# KiCad board MB1635_good_conversion.kicad_pcb (continued)
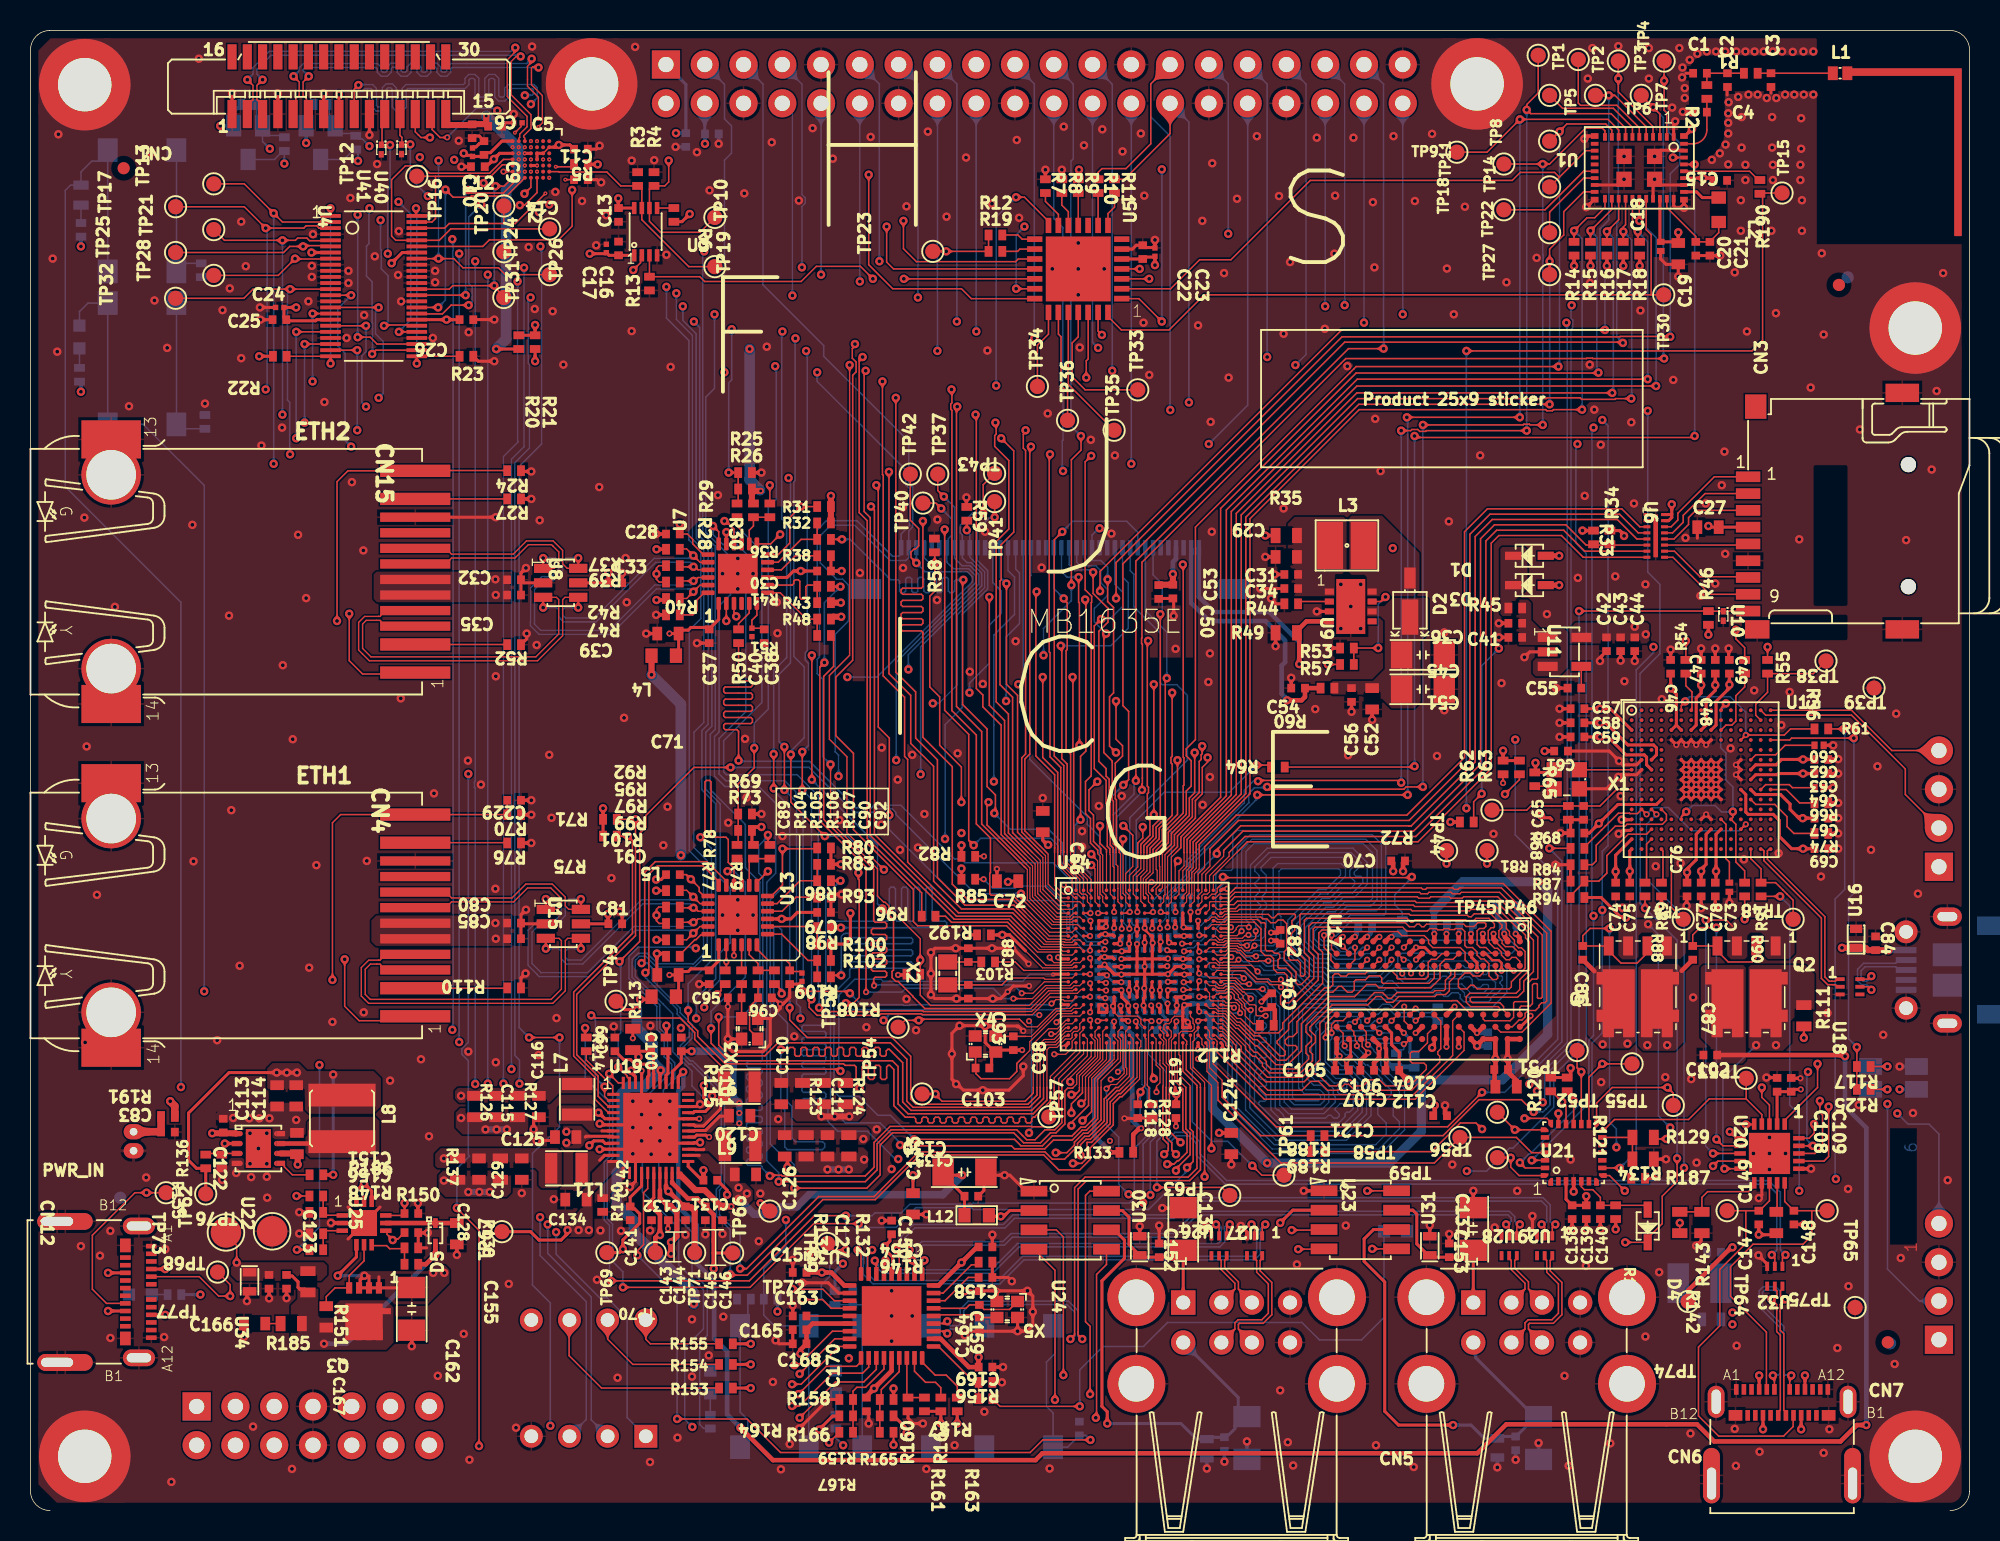
[diagram p0: board, top side]
## Footprints (pads in the part's own frame, mm; a bottom-side part is the same pattern mirrored in y, then rotated) (continued)
_Subversion_Altium_Designer_Library_Trunk_MCD_PARTS_IC.PcbLib_ICC_UFQFPN28_4X4_P050
  rect 0.3x0.3 smd: 1(-1.5,-2) 7(1.5,-2) 8(2,-1.5) 14(2,1.5) 15(1.5,2) 21(-1.5,2) 22(-2,1.5) 28(-2,-1.5)
  rect 0.3x0.55 smd: 2(-1,-1.875) 3(-0.5,-1.875) 4(0,-1.875) 5(0.5,-1.875) 6(1,-1.875) 16(1,1.875) 17(0.5,1.875) 18(0,1.875) 19(-0.5,1.875) 20(-1,1.875)
  rect 0.55x0.3 smd: 9(1.875,-1) 10(1.875,-0.5) 11(1.875,0) 12(1.875,0.5) 13(1.875,1) 23(-1.875,1) 24(-1.875,0.5) 25(-1.875,0) 26(-1.875,-0.5) 27(-1.875,-1)
_Subversion_Altium_Designer_Library_Trunk_MCD_PARTS_IC.PcbLib_ICC_VFDFPN8-EPAD_3X3_P065
  rect 0.35x0.55 smd: 1(-0.975,-1.475) 2(-0.325,-1.475) 3(0.325,-1.475) 4(0.975,-1.475) 5(0.975,1.475) 6(0.325,1.475) 7(-0.325,1.475) 8(-0.975,1.475)
  rect 2.55x1.65 smd: 9(0,0)
_Subversion_Altium_Designer_Library_Trunk_MCD_PARTS_IC.PcbLib_ICC_VQFN24-EPAD_4X4_P050
  rrect 0.85x0.3 smd: 1(-1.95,1.25) 2(-1.95,0.75) 3(-1.95,0.25) 4(-1.95,-0.25) 5(-1.95,-0.75) 6(-1.95,-1.25) 13(1.95,-1.25) 14(1.95,-0.75) 15(1.95,-0.25) 16(1.95,0.25) 17(1.95,0.75) 18(1.95,1.25)
  rrect 0.3x0.85 smd: 7(-1.25,-1.95) 8(-0.75,-1.95) 9(-0.25,-1.95) 10(0.25,-1.95) 11(0.75,-1.95) 12(1.25,-1.95) 19(1.25,1.95) 20(0.75,1.95) 21(0.25,1.95) 22(-0.25,1.95) 23(-0.75,1.95) 24(-1.25,1.95)
  rect 2.6x2.6 smd: EP(0,0)
_Subversion_Altium_Designer_Library_Trunk_MCD_PARTS_IC.PcbLib_ICC_VQFN24-EPAD_4X4_P050#2
  rrect 0.85x0.3 smd: 1(-1.95,1.25) 2(-1.95,0.75) 3(-1.95,0.25) 4(-1.95,-0.25) 5(-1.95,-0.75) 6(-1.95,-1.25) 13(1.95,-1.25) 14(1.95,-0.75) 15(1.95,-0.25) 16(1.95,0.25) 17(1.95,0.75) 18(1.95,1.25)
  rrect 0.3x0.85 smd: 7(-1.25,-1.95) 8(-0.75,-1.95) 9(-0.25,-1.95) 10(0.25,-1.95) 11(0.75,-1.95) 12(1.25,-1.95) 19(1.25,1.95) 20(0.75,1.95) 21(0.25,1.95) 22(-0.25,1.95) 23(-0.75,1.95) 24(-1.25,1.95)
  rect 2.6x2.6 smd: EP(0,0)
_Subversion_Altium_Designer_Library_Trunk_MCD_PARTS_IC.PcbLib_ICC_VSSOP8_DCU_R-PDSO-G8_2X2P30_P050
  rect 0.3x0.8 smd: 1(-0.75,-1.55) 2(-0.25,-1.55) 3(0.25,-1.55) 4(0.75,-1.55) 5(0.75,1.55) 6(0.25,1.55) 7(-0.25,1.55) 8(-0.75,1.55)
_Subversion_Altium_Designer_Library_Trunk_MCD_PARTS_IC.PcbLib_MOS_SOT23
  rect 1x1.4 smd: 1(-0.95,-1.1) 2(0.95,-1.1) 3(0,1.1)
_Subversion_Altium_Designer_Library_Trunk_MCD_PARTS_IC.PcbLib_MOS_SOT23#2
  rect 1x1.4 smd: 1(-0.95,-1.1) 2(0.95,-1.1) 3(0,1.1)
_Subversion_Altium_Designer_Library_Trunk_MCD_PARTS_IC.PcbLib_REG_SOT23-5L
  rect 0.6x1.3 smd: 1(-0.95,-1.1) 2(0,-1.1) 3(0.95,-1.1) 4(0.95,1.1) 5(-0.95,1.1)
_Subversion_Altium_Designer_Library_Trunk_MCD_PARTS_INDUCTOR.PcbLib_FIL_0603_H0P65
  rect 0.8x0.95 smd: 1(-0.8,0) 2(0.8,0)
_Subversion_Altium_Designer_Library_Trunk_MCD_PARTS_INDUCTOR.PcbLib_IND_0402_MURATA_LQW15AN2N4C00X
  rect 0.65x0.9 smd: 1(-0.475,0) 2(0.475,0)
_Subversion_Altium_Designer_Library_Trunk_MCD_PARTS_INDUCTOR.PcbLib_IND_4025_WURTH_74404043022A
  rect 1.5x4.4 smd: 1(-1.525,0) 2(1.525,0)
_Subversion_Altium_Designer_Library_Trunk_MCD_PARTS_INDUCTOR.PcbLib_L0603
  rect 0.8x0.95 smd: 1(-0.8,0) 2(0.8,0)
_Subversion_Altium_Designer_Library_Trunk_MCD_PARTS_INDUCTOR.PcbLib_L1210_LQH
  rect 1.7x3.1 smd: 1(-1.1,0) 2(1.1,0)
_Subversion_Altium_Designer_Library_Trunk_MCD_PARTS_MISC.PcbLib_MOD_WLAN-BT_MURATA_LBEE5KL1DX-883
  rect 0.25x0.5 smd: 1(-2.25,-2.025) 2(-1.8,-2.025) 3(-1.35,-2.025) 4(-0.9,-2.025) 5(-0.45,-2.025) 6(0,-2.025) 7(0.45,-2.025) 8(0.9,-2.025) 9(1.35,-2.025) 10(1.8,-2.025) 11(2.25,-2.025) 22(2.25,2.025) 23(1.8,2.025) 24(1.35,2.025) 25(0.9,2.025) 26(0.45,2.025) 27(0,2.025) 28(-0.45,2.025) 29(-0.9,2.025) 30(-1.35,2.025) 31(-1.8,2.025) 32(-2.25,2.025)
  rect 0.5x0.375 smd: 12(2.925,-2.087) 21(2.925,2.087) 33(-2.925,2.087) 42(-2.925,-2.087)
  rect 0.5x0.25 smd: 13(2.925,-1.575) 14(2.925,-1.125) 15(2.925,-0.675) 16(2.925,-0.225) 17(2.925,0.225) 18(2.925,0.675) 19(2.925,1.125) 20(2.925,1.575) 34(-2.925,1.575) 35(-2.925,1.125) 36(-2.925,0.675) 37(-2.925,0.225) 38(-2.925,-0.225) 39(-2.925,-0.675) 40(-2.925,-1.125) 41(-2.925,-1.575)
  rect 1x1 smd: 43(-1,-0.75) 44(1,-0.75) 45(-1,0.75) 46(1,0.75)
_Subversion_Altium_Designer_Library_Trunk_MCD_PARTS_MISC.PcbLib_TP_SMD_1MM
  round 1 smd: 1(0,0)
_Subversion_Altium_Designer_Library_Trunk_MCD_PARTS_RESISTOR.PcbLib_R0402
  rect 0.51x0.7 smd: 1(-0.45,0) 2(0.45,0)
_Subversion_Altium_Designer_Library_Trunk_MCD_PARTS_RESISTOR.PcbLib_R0402#2
  rect 0.51x0.7 smd: 1(-0.45,0) 2(0.45,0)
_Subversion_Altium_Designer_Library_Trunk_MCD_PARTS_RESISTOR.PcbLib_R0402#3
  rect 0.51x0.7 smd: 1(-0.45,0) 2(0.45,0)
_Subversion_Altium_Designer_Library_Trunk_MCD_PARTS_RESISTOR.PcbLib_R0603
  rect 0.64x1 smd: 1(-0.7,0) 2(0.7,0)
_Subversion_Altium_Designer_Library_Trunk_MCD_PARTS_TRANSISTOR.PcbLib_PowerFLAT_5x6
  rect 0.65x1.25 smd: 1(1.905,2.675) 2(0.635,2.675) 3(-0.635,2.675) 4(-1.905,2.675) 5(-1.905,-2.675) 6(-0.635,-2.675) 7(0.635,-2.675) 8(1.905,-2.675)
_Users_Gasnot Jordane_Documents_Projets_ATE_STM_Le Mans_Bibliothèque_MCD_PARTS.PcbLib_MIRE_PLACE_SMD_0P8MM
  round 0.8 smd: 1(0,0)
C0201_MURATA_GRM033_H0P3
  rect 0.35x0.35 smd: 1(-0.275,0) 2(0.275,0)
C0402
  rect 0.51x0.56 smd: 1(-0.45,0) 2(0.45,0)
C0402#2
  rect 0.51x0.56 smd: 1(-0.45,0) 2(0.45,0)
C0402#3
  rect 0.51x0.56 smd: 1(-0.45,0) 2(0.45,0)
C0603
  rect 0.64x0.89 smd: 1(-0.7,0) 2(0.7,0)
C0603_H0P8
  rect 0.64x0.89 smd: 1(-0.7,0) 2(0.7,0)
CON_MOLEX_5051104091
  rect 0.3x1 smd: 1(-9.75,1.1) 2(-9.25,1.1) 3(-8.75,1.1) 4(-8.25,1.1) 5(-7.75,1.1) 6(-7.25,1.1) 7(-6.75,1.1) 8(-6.25,1.1) 9(-5.75,1.1) 10(-5.25,1.1) 11(-4.75,1.1) 12(-4.25,1.1) 13(-3.75,1.1) 14(-3.25,1.1) 15(-2.75,1.1) 16(-2.25,1.1) 17(-1.75,1.1) 18(-1.25,1.1) 19(-0.75,1.1) 20(-0.25,1.1) 21(0.25,1.1) 22(0.75,1.1) 23(1.25,1.1) 24(1.75,1.1) 25(2.25,1.1) 26(2.75,1.1) 27(3.25,1.1) 28(3.75,1.1) 29(4.25,1.1) 30(4.75,1.1) 31(5.25,1.1) 32(5.75,1.1) 33(6.25,1.1) 34(6.75,1.1) 35(7.25,1.1) 36(7.75,1.1) 37(8.25,1.1) 38(8.75,1.1) 39(9.25,1.1) 40(9.75,1.1)
  rect 2x1.3 smd: MT1(-12.05,-1.6) MT2(12.05,-1.6)
CON_RJ45_PHC_RMT-119A-12F6-GY-02
  rect 0.81x4.6 smd: 1(6.61,25.2) 2(4.77,25.2) 11(-4.77,25.2) 12(-6.61,25.2)
  rect 0.61x4.6 smd: 3(3.57,25.2) 4(2.55,25.2) 5(1.53,25.2) 6(0.51,25.2) 7(-0.51,25.2) 8(-1.53,25.2) 9(-2.55,25.2) 10(-3.57,25.2)
  rect 2.5x3.9 smd: 13(-8.67,5.28) 14(8.67,5.28)
  round 3.9 hole 3.25: 13(-6.35,5.28) 14(6.35,5.28)
CON_SAMTEC_TSW-107-07-X-D
  rect 1.85x1.85 hole 1: 1(-7.62,-1.27)
  round 1.85 hole 1: 2(-7.62,1.27) 3(-5.08,-1.27) 4(-5.08,1.27) 5(-2.54,-1.27) 6(-2.54,1.27) 7(0,-1.27) 8(0,1.27) 9(2.54,-1.27) 10(2.54,1.27) 11(5.08,-1.27) 12(5.08,1.27) 13(7.62,-1.27) 14(7.62,1.27)
CON_USB-TYPEC_MOLEX_2012670005
  rect 0.3x0.7 smd: A1(-3,3.085) A2(-2.5,3.085) A3(-2,3.085) A4(-1.5,3.085) A5(-1,3.085) A6(-0.5,3.085) A7(0.5,3.085) A8(1,3.085) A9(1.5,3.085) A10(2,3.085) A11(2.5,3.085) A12(3,3.085) B2(2.25,1.385) B3(1.75,1.385) B4(1.25,1.385) B5(0.75,1.385) B6(0.25,1.385) B7(-0.25,1.385) B8(-0.75,1.385) B9(-1.25,1.385) B10(-1.75,1.385) B11(-2.25,1.385)
  rect 0.9x0.7 smd: B1(3.05,1.385) B12(-3.05,1.385)
  oval 1.1x2.1 hole 0.6x1.6: SH1(-4.32,2.275) SH2(4.32,2.275)
  oval 1.1x3.6 smd: SH3(-4.62,-2.55) SH4(4.62,-2.55)
  oval 1.1x2.6 hole 0.6x2.1: SH3(-4.62,-3.085) SH4(4.62,-3.085)
CON_USB-TYPEC_MOLEX_2012670005#2
  rect 0.3x0.7 smd: A1(-3,3.085) A2(-2.5,3.085) A3(-2,3.085) A4(-1.5,3.085) A5(-1,3.085) A6(-0.5,3.085) A7(0.5,3.085) A8(1,3.085) A9(1.5,3.085) A10(2,3.085) A11(2.5,3.085) A12(3,3.085) B2(2.25,1.385) B3(1.75,1.385) B4(1.25,1.385) B5(0.75,1.385) B6(0.25,1.385) B7(-0.25,1.385) B8(-0.75,1.385) B9(-1.25,1.385) B10(-1.75,1.385) B11(-2.25,1.385)
  rect 0.9x0.7 smd: B1(3.05,1.385) B12(-3.05,1.385)
  oval 1.1x2.1 hole 0.6x1.6: SH1(-4.32,2.275) SH2(4.32,2.275)
  oval 1.1x3.6 smd: SH3(-4.62,-2.55) SH4(4.62,-2.55)
  oval 1.1x2.6 hole 0.6x2.1: SH3(-4.62,-3.085) SH4(4.62,-3.085)
CRY_NX2012SA_2P
  rect 1x1.25 smd: 1(-0.75,0) 2(0.75,0)
CRY_NX2016SA_4P
  rect 0.85x0.75 smd: 1(-0.675,-0.525) 2(0.675,-0.525) 3(0.675,0.525) 4(-0.675,0.525)
DIO_SOD523_1A_2K
  rect 0.65x0.3 smd: 1(-0.675,0) 2(0.675,0)
ESD_QFN1610_2N_1K_2A
  rect 0.55x0.9 smd: 1(-0.625,0) 2(0.625,0)
ESD_ST0201
  rect 0.425x0.33 smd: 1(-0.312,0) 2(0.312,0)
ICC_QFN12L-EPAD_3X3_P050
  rect 0.3x0.75 smd: 1(-0.5,-1.425) 2(0,-1.425) 3(0.5,-1.425) 7(0.5,1.425) 8(0,1.425) 9(-0.5,1.425)
  rect 0.75x0.3 smd: 4(1.425,-0.5) 5(1.425,0) 6(1.425,0.5) 10(-1.425,0.5) 11(-1.425,0) 12(-1.425,-0.5)
  rect 1.7x1.7 smd: 13(0,0)
ICC_TFBGA320_11X11_STM32MP135FA7_P050_H1P20
  round 0.23 smd: A1(-5,5) A2(-4.5,5) A3(-4,5) A4(-3.5,5) A6(-2.5,5) A7(-2,5) A9(-1,5) A10(-0.5,5) A12(0.5,5) A13(1,5) A15(2,5) A16(2.5,5) A18(3.5,5) A19(4,5) A20(4.5,5) A21(5,5) AA1(-5,-5) AA2(-4.5,-5) AA3(-4,-5) AA4(-3.5,-5) AA6(-2.5,-5) AA7(-2,-5) AA9(-1,-5) AA10(-0.5,-5) AA12(0.5,-5) AA13(1,-5) AA15(1.999,-5) AA16(2.499,-5) AA18(3.499,-5) AA19(3.999,-5) AA20(4.499,-5) AA21(4.999,-5) B1(-5,4.5) B2(-4.5,4.5) B3(-4,4.5) B4(-3.5,4.5) B5(-3,4.5) B6(-2.5,4.5) B7(-2,4.5) B8(-1.5,4.5) B9(-1,4.5) B10(-0.5,4.5) B11(0,4.5) B12(0.5,4.5) B13(1,4.5) B14(1.5,4.5) B15(2,4.5) B16(2.5,4.5) B17(3,4.5) B18(3.5,4.5) B19(4,4.5) B20(4.5,4.5) B21(5,4.5) C1(-5,4) C2(-4.5,4) C3(-4,4) C4(-3.5,4) C5(-3,4) C6(-2.5,4) C7(-2,4) C8(-1.5,4) C9(-1,4) C10(-0.5,4) C11(0,4) C12(0.5,4) C13(1,4) C14(1.5,4) C15(2,4) C16(2.5,4) C17(3,4) C18(3.5,4) C19(4,4) C20(4.5,4) C21(5,4) D1(-5,3.5) D2(-4.5,3.5) D3(-4,3.5) D6(-2.5,3.5) D8(-1.5,3.5) D11(0,3.5) D14(1.5,3.5) D16(2.5,3.5) D19(4,3.5) D20(4.5,3.5) D21(5,3.5) E2(-4.5,3) E3(-4,3) E5(-3,3) E6(-2.5,3) E7(-2,3) E8(-1.5,3) E9(-1,3) E10(-0.5,3) E11(0,3) E12(0.5,3) E13(1,3) E14(1.5,3) E15(2,3) E16(2.5,3) E17(3,3) E19(4,3) E20(4.5,3) F1(-5,2.5) F2(-4.5,2.5) F3(-4,2.5) F4(-3.5,2.5) F5(-3,2.5) F17(3,2.5) F18(3.5,2.5) F19(4,2.5) F20(4.5,2.5) F21(5,2.5) G1(-5,2) G2(-4.5,2) G3(-4,2) G5(-3,2) G7(-2,2) G8(-1.5,2) G9(-1,2) G10(-0.5,2) G11(0,2) G12(0.5,2) G13(1,2) G14(1.5,2) G15(2,2) G17(3,2) G19(4,2) G20(4.5,2) G21(5,2) H2(-4.5,1.5) H3(-4,1.5) H4(-3.5,1.5) H5(-3,1.5) H7(-2,1.5) H15(2,1.5) H17(3,1.5) H18(3.5,1.5) H19(4,1.5) H20(4.5,1.5) J1(-5,1) J2(-4.5,1) J3(-4,1) J5(-3,1) J7(-2,1) J9(-1,1) J10(-0.5,1) J11(0,1) J12(0.5,1) J13(1,1) J15(1.999,1) J17(2.999,1) J19(3.999,1) J20(4.499,1) J21(4.999,1) K1(-5,0.5) K2(-4.5,0.5) K3(-4,0.5) K5(-3,0.5) K7(-2,0.5) K9(-1,0.5) K10(-0.5,0.5) K11(0,0.5) K12(0.5,0.5) K13(1,0.5) K15(2,0.5) K17(2.999,0.5) K19(3.999,0.5) K20(4.499,0.5) K21(4.999,0.5) L2(-4.5,0) L3(-4,0) L4(-3.5,0) L5(-3,0) L7(-2,0) L9(-1,0) L10(-0.5,0) L12(0.5,0) L13(1,0) L15(2,0) L17(2.999,0) L18(3.499,0) L19(3.999,0) L20(4.499,0) M1(-5,-0.5) M2(-4.5,-0.5) M3(-4,-0.5) M5(-3,-0.5) M7(-2,-0.5) M9(-1,-0.5) M10(-0.5,-0.5) M11(0,-0.5) M12(0.5,-0.5) M13(1,-0.5) M15(2,-0.5) M17(3,-0.5) M19(4,-0.5) M20(4.5,-0.5) M21(5,-0.5) N1(-5,-1) N2(-4.5,-1) N3(-4,-1) N5(-3,-1) N7(-2,-1) N9(-1,-1) N10(-0.5,-1) N11(0,-1) N12(0.5,-1) N13(1,-1) N15(2,-1) N17(3,-1) N19(4,-1) N20(4.5,-1) N21(5,-1) P2(-4.5,-1.5) P3(-4,-1.5) P4(-3.5,-1.5) P5(-3,-1.5) P7(-2,-1.5) P15(2,-1.5) P17(3,-1.5) P18(3.5,-1.5) P19(4,-1.5) P20(4.5,-1.5) R1(-5,-2) R2(-4.5,-2) R3(-4,-2) R5(-3,-2) R7(-2,-2) R8(-1.5,-2) R9(-1,-2) R10(-0.5,-2) R11(0,-2) R12(0.5,-2) R13(1,-2) R14(1.5,-2) R15(2,-2) R17(2.999,-2) R19(3.999,-2) R20(4.499,-2) R21(4.999,-2) T1(-5,-2.5) T2(-4.5,-2.5) T3(-4,-2.5) T4(-3.5,-2.5) T5(-3,-2.5) T17(2.999,-2.5) T18(3.499,-2.5) T19(3.999,-2.5) T20(4.499,-2.5) T21(4.999,-2.5) U2(-4.5,-3) U3(-4,-3) U5(-3,-3) U6(-2.5,-3) U7(-2,-3) U8(-1.5,-3) U9(-1,-3) U10(-0.5,-3) U11(0,-3) U12(0.5,-3) U13(1,-3) U14(1.5,-3) U15(1.999,-3) U16(2.499,-3) U17(2.999,-3) U19(3.999,-3) U20(4.499,-3) V1(-5,-3.5) V2(-4.5,-3.5) V3(-4,-3.5) V6(-2.5,-3.5) V8(-1.5,-3.5) V11(-0.001,-3.5) V14(1.499,-3.5) V16(2.499,-3.5) V19(3.999,-3.5) V20(4.499,-3.5) V21(4.999,-3.5) W1(-5,-4) W2(-4.5,-4) W3(-4,-4) W4(-3.5,-4) W5(-3,-4) W6(-2.5,-4) W7(-2,-4) W8(-1.5,-4) W9(-1,-4) W10(-0.5,-4) W11(0,-4) W12(0.5,-4) W13(1,-4) W14(1.5,-4) W15(1.999,-4) W16(2.499,-4) W17(2.999,-4) W18(3.499,-4) W19(3.999,-4) W20(4.499,-4) W21(4.999,-4) Y1(-5,-4.5) Y2(-4.5,-4.5) Y3(-4,-4.5) Y4(-3.5,-4.5) Y5(-3,-4.5) Y6(-2.5,-4.5) Y7(-2,-4.5) Y8(-1.5,-4.5) Y9(-1,-4.5) Y10(-0.5,-4.5) Y11(0,-4.5) Y12(0.5,-4.5) Y13(1,-4.5) Y14(1.5,-4.5) Y15(1.999,-4.5) Y16(2.499,-4.5) Y17(2.999,-4.5) Y18(3.499,-4.5) Y19(3.999,-4.5) Y20(4.499,-4.5) Y21(4.999,-4.5)
ICC_VFBGA49_3X3_P040
  round 0.26 smd: A1(-1.2,1.2) A2(-0.8,1.2) A3(-0.4,1.2) A4(0,1.2) A5(0.4,1.2) A6(0.8,1.2) A7(1.2,1.2) B1(-1.2,0.8) B2(-0.8,0.8) B3(-0.4,0.8) B4(0,0.8) B5(0.4,0.8) B6(0.8,0.8) B7(1.2,0.8) C1(-1.2,0.4) C2(-0.8,0.4) C3(-0.4,0.4) C4(0,0.4) C5(0.4,0.4) C6(0.8,0.4) C7(1.2,0.4) D1(-1.2,0) D2(-0.8,0) D3(-0.4,0) D4(0,0) D5(0.4,0) D6(0.8,0) D7(1.2,0) E1(-1.2,-0.4) E2(-0.8,-0.4) E3(-0.4,-0.4) E4(0,-0.4) E5(0.4,-0.4) E6(0.8,-0.4) E7(1.2,-0.4) F1(-1.2,-0.8) F2(-0.8,-0.8) F3(-0.4,-0.8) F4(0,-0.8) F5(0.4,-0.8) F6(0.8,-0.8) F7(1.2,-0.8) G1(-1.2,-1.2) G2(-0.8,-1.2) G3(-0.4,-1.2) G4(0,-1.2) G5(0.4,-1.2) G6(0.8,-1.2) G7(1.2,-1.2)
IND_2520_TOKO_DFE252012P
  rect 0.8x2 smd: 1(-1,0) 2(1,0)
LED_0603_GREEN
  rect 0.8x0.8 smd: 1(-0.75,0) 2(0.75,0)
LED_BI-GR_CMD67-22
  rect 1.1x1.5 smd: 1(-0.75,-1.5) 2(0.75,-1.5) 3(-0.75,1.5) 4(0.75,1.5)
MOS_POWERFLAT_3P3X3P3_P065
  rect 0.4x0.75 smd: 1(-0.975,-1.525) 2(-0.325,-1.525) 3(0.325,-1.525) 4(0.975,-1.525) 6(0.325,1.525) 7(-0.325,1.525)
  rect 0.45x0.75 smd: 5(1,1.525) 8(-1,1.525)
R0402
  rect 0.51x0.7 smd: 1(-0.45,0) 2(0.45,0)
R0402#2
  rect 0.51x0.7 smd: 1(-0.45,0) 2(0.45,0)
R0603
  rect 0.64x1 smd: 1(-0.7,0) 2(0.7,0)
SWI_GRAYHILL-INC_76SB04ST
  rect 1.5x1.5 hole 0.9: 1(-3.75,-3.81)
  round 1.5 hole 0.9: 2(-1.25,-3.81) 3(1.25,-3.81) 4(3.75,-3.81) 5(3.75,3.81) 6(1.25,3.81) 7(-1.25,3.81) 8(-3.75,3.81)
SWI_KNITTER_TSS644S
  rect 1.55x1.3 smd: 1(-3.975,2.25) 2(3.975,2.25) 3(-3.975,-2.25) 4(3.975,-2.25)
SWI_KNITTER_TSS644S#2
  rect 1.55x1.3 smd: 1(-3.975,2.25) 2(3.975,2.25) 3(-3.975,-2.25) 4(3.975,-2.25)
TP_SMD_1MM
  round 1 smd: 1(0,0)
unnamed
  round 6 hole 3.5: 1(0,0)

## Nets
1V8_PERIPH: C9.2 C10.2 C11.2 C12.2 C13.2 C26.2 C145.2 R5.1 R22.2 R168.2 R169.2 TP72.1 TR1.1 TR2.1 U2.A2 U2.B3 U2.C3 U2.C4 U2.G1 U2.G3 U3.8 U4.31 U4.42 U19.21
3V3_AO: C7.1 C18.2 C19.2 C22.2 C23.2 C79.2 C113.2 C114.2 CN8.1 CN8.17 L5.2 L8.2 R9.1 R73.2 R78.2 R80.2 R83.2 R100.2 R102.2 R115.1 R135.2 R186.2 TP62.1 U1.30 U5.5 U13.9
3V3_STLK: C42.2 C43.2 C44.2 C46.2 C47.2 C48.2 C49.2 C57.2 C58.2 C59.2 C61.2 C62.2 C63.2 C67.2 C68.2 C69.2 C74.2 C75.2 C76.2 C77.2 C78.2 CN9.1 LD5.3 R65.1 R89.1 U11.5 U12.C1 U12.C5 U12.C6 U12.C7 U12.C8 U12.C9 U12.F3 U12.G3 U12.G13 U12.H13 U12.J12 U12.J13 U12.K4 U12.N8 U12.N9 U12.N10 U12.P1 U12.R1 X1.4
3V3_SW: C6.2 C30.2 C50.1 C53.2 C117.2 C150.2 C154.2 C157.2 C165.2 C168.2 C169.2 C170.2 CN1.15 CN16.4 L4.2 R20.2 R26.2 R29.2 R31.2 R32.2 R43.2 R48.2 R161.2 R162.1 R163.2 R164.2 R165.2 TP49.1 U7.9 U19.38 U33.5 U33.10 U33.15 U33.23 U33.29 U33.36
5V_USB_CHGR: C84.2 CN10.1 D3.1 U16.1
5V_VIN: C8.2 C86.2 C101.2 C120.2 C122.2 C123.2 C125.2 C130.2 C131.2 C134.2 C135.2 C143.2 C146.2 C162.1 CN8.2 CN8.4 D1.1 L12.1 Q1.5 Q1.6 Q3.1 Q3.2 Q3.3 R35.1 R152.2 TP67.1 U19.8 U19.12 U19.19 U19.22 U19.24 U19.28 U19.36 U22.1 U22.6 U25.4
GND: B3.1 B3.2 B5.3 B5.4 C1.1 C2.1 C3.1 C4.1 C5.1 C6.1 C7.2 C8.1 C9.1 C10.1 C11.1 C12.1 C13.1 C14.1 C15.1 C16.1 C17.1 C18.1 C19.1 C20.1 C21.1 C22.1 C23.1 C24.1 C25.1 C26.1 C27.1 C28.1 C29.2 C30.1 C31.1 C32.1 C33.2 C34.1 C35.1 C36.2 C37.1 C38.1 C39.2 C40.1 C41.1 C42.1 C43.1 C44.1 C45.1 C46.1 C47.1 C48.1 C49.1 C50.2 C51.1 C52.1 C53.1 C54.1 C55.1 C56.1 C57.1 C58.1 C59.1 C60.1 C61.1 C62.1 C63.1 C64.1 C65.1 C66.1 C67.1 C68.1 C69.1 C70.1 C71.1 C72.1 C73.1 C74.1 C75.1 C76.1 C77.1 C78.1 C79.1 C80.1 C81.2 C82.1 C83.1 C84.1 C85.1 C88.2 C89.1 C90.1 C91.2 C92.1 C93.2 C94.1 C95.1 C96.1 C98.1 C99.2 C100.1 C101.1 C102.1 C103.2 C104.1 C105.1 C106.1 C107.2 C108.1 C109.1 C110.1 C112.1 C113.1 C114.1 C116.1 C117.1 C118.2 C119.1 C120.1 C121.1 C122.1 C123.1 C124.1 C125.1 C126.1 C129.1 C130.1 C131.1 C132.1 C133.1 C134.1 C135.1 C136.1 C137.1 C138.1 C139.1 C140.1 C141.1 C142.1 C143.1 C144.1 C145.1 C146.1 C147.1 C148.1 C149.1 C150.1 C151.1 C152.1 C153.1 C154.1 C155.2 C156.1 C157.1 C158.1 C159.1 C160.2 C161.1 C162.2 C163.1 C164.1 C165.1 C166.1 C168.1 C169.1 C170.1 C171.1 C172.1 C173.1 C174.1 C175.1 C176.1 C177.2 C178.1 C179.1 C180.2 C181.1 C182.1 C183.1 C184.1 C185.2 C186.1 C187.1 C188.1 C189.1 C190.1 C191.2 C192.1 C193.1 C194.1 C195.2 C196.1 C197.1 C198.1 C199.1 C200.1 C201.1 C202.1 C203.2 C204.2 C205.1 C206.1 C207.2 C208.1 C209.1 C210.2 C211.1 C212.1 C213.1 C214.2 C215.2 C216.2 C217.2 C218.1 C219.2 C220.1 C221.1 C222.1 C223.1 C224.1 C225.1 C226.1 C227.1 C228.1 C229.1 CN1.1 CN1.4 CN1.7 CN1.10 CN3.6 CN3.10 CN3.11 CN3.12 CN4.10 CN4.13 CN4.14 CN5.B4 CN5.CH1 CN5.CH2 CN5.CH3 CN5.CH4 CN5.T4 CN6.B4 CN6.CH1 CN6.CH2 CN6.CH3 CN6.CH4 CN6.T4 CN7.A1 CN7.A12 CN7.B1 CN7.B12 CN7.SH1 CN7.SH2 CN7.SH3 CN7.SH4 CN8.6 CN8.9 CN8.14 CN8.20 CN8.25 CN8.30 CN8.34 CN8.39 CN9.3 CN10.5 CN10.6 CN10.7 CN10.8 CN10.9 CN10.10 CN10.11 CN11.2 CN12.A1 CN12.A12 CN12.B1 CN12.B12 CN12.SH1 CN12.SH2 CN12.SH3 CN12.SH4 CN13.3 CN14.7 CN14.8 CN15.10 CN15.13 CN15.14 CN16.3 CN16.29 CN16.35 CN16.36 CN16.MT1 CN16.MT2 LD1.2 LD2.2 LD5.4 LD6.2 LD7.2 NOREF.1 NOREF#2.1 NOREF#3.1 NOREF#4.1 NOREF#5.1 NOREF#6.1 R3.2 R4.2 R7.1 R8.1 R13.1 R23.2 R24.1 R25.2 R27.1 R33.1 R38.2 R44.1 R47.2 R49.1 R52.1 R53.1 R58.2 R59.1 R66.1 R68.2 R69.2 R70.1 R74.1 R76.1 R84.1 R87.1 R93.2 R101.2 R110.1 R112.1 R128.2 R134.1 R136.1 R140.1 R143.1 R145.1 R146.1 R147.1 R148.1 R156.1 R158.1 R159.1 R160.1 R173.2 R175.2 R176.1 R178.1 R179.1 R182.2 SW1.4 TP39.1 TP75.1 TP76.1 U1.1 U1.12 U1.19 U1.21 U1.29 U1.32 U1.33 U1.35 U1.40 U1.42 U1.43 U1.44 U1.45 U1.46 U2.A4 U2.A7 U2.C5 U2.D3 U2.D5 U2.E3 U2.F6 U2.G2 U3.4 U4.4 U4.9 U4.10 U4.11 U4.12 U4.15 U4.21 U4.28 U4.34 U4.37 U4.38 U4.39 U4.40 U4.45 U5.6 U5.29 U6.EP U7.EP U8.2 U9.3 U9.9 U10.2 U11.2 U12.D5 U12.D6 U12.D7 U12.D8 U12.D9 U12.F2 U12.F6 U12.F7 U12.F8 U12.F9 U12.F10 U12.F12 U12.G2 U12.G6 U12.G7 U12.G8 U12.G9 U12.G10 U12.G12 U12.H6 U12.H7 U12.H8 U12.H9 U12.H10 U12.H12 U12.J6 U12.J7 U12.J8 U12.J9 U12.J10 U12.K6 U12.K7 U12.K8 U12.K9 U12.K10 U12.M1 U12.M8 U12.M9 U12.N1 U13.EP U14.A1 U14.A21 U14.AA1 U14.AA18 U14.AA21 U14.B12 U14.D16 U14.E5 U14.E6 U14.E11 U14.E16 U14.F5 U14.F17 U14.F18 U14.F21 U14.G8 U14.G12 U14.G14 U14.H7 U14.H15 U14.J10 U14.J12 U14.K1 U14.K9 U14.K10 U14.K11 U14.K12 U14.K13 U14.K21 U14.L5 U14.L10 U14.L12 U14.L15 U14.L17 U14.M1 U14.M7 U14.M9 U14.M10 U14.M11 U14.M12 U14.M13 U14.N11 U14.P7 U14.P15 U14.R8 U14.R11 U14.R14 U14.T1 U14.T5 U14.T17 U14.T21 U14.U3 U14.U5 U14.U6 U14.U9 U14.U11 U14.U13 U14.U16 U14.V8 U14.V16 U14.W16 U14.W17 U14.Y14 U15.2 U16.2 U17.A9 U17.B1 U17.B3 U17.B9 U17.D1 U17.D8 U17.E1 U17.E2 U17.E8 U17.F9 U17.G1 U17.G8 U17.G9 U17.J2 U17.J8 U17.M1 U17.M9 U17.P1 U17.P9 U17.T1 U17.T9 U18.3 U19.6 U19.10 U19.15 U19.26 U19.30 U19.32 U19.41 U19.ep U20.12 U20.16 U20.21 U21.4 U22.4 U22.8 U23.1 U24.1 U25.2 U25.13 U26.3 U27.3 U28.3 U29.3 U30.2 U31.2 U32.3 U33.11 U33.37 U34.2 U36.2 U37.2 U38.2 U39.2 U40.2 U41.2 X1.2 X3.2 X3.4 X4.2 X4.4 X5.2 X5.4
GNDDetect: R74.2 U12.K13
VBUS_MEAS: R129.1 R134.2 U21.13
VDD: C15.2 C108.2 C109.2 C111.2 C138.2 C139.2 C171.2 C173.2 C176.2 C185.1 C190.2 C197.2 C201.2 C202.2 C205.2 C207.1 C208.2 C209.2 C215.1 CN13.1 CN14.13 R14.1 R15.1 R16.1 R17.1 R18.1 R21.2 R46.1 R62.2 R63.2 R71.2 R72.2 R75.2 R82.2 R94.2 R108.2 R120.2 R121.1 R123.2 R124.2 R141.2 R153.2 R154.2 R155.2 R172.2 R174.2 R180.2 R181.2 R187.2 R192.2 U1.36 U14.AA12 U14.C15 U14.E12 U14.E17 U14.G9 U14.G13 U14.J7 U14.J9 U14.J13 U14.K2 U14.M5 U14.N7 U14.N9 U14.N12 U14.R5 U14.R7 U14.R9 U14.R12 U14.U7 U14.V2 U14.W11 U14.Y18 U19.31 U19.42 U20.2 U21.3 U22.2 U25.10 U25.12
VDD_ADC: C132.2 C214.1 R133.2 TP66.1 U14.U8 U19.23
VDD_CORE: C124.2 C127.2 C133.2 C188.2 C189.2 C195.1 C196.2 C199.2 C200.2 C203.1 C213.2 CN14.9 R131.2 R132.2 U14.G11 U14.J11 U14.J15 U14.L7 U14.L9 U14.L13 U14.N10 U14.N13 U14.N15 U14.R10 U14.R13 U14.U12 U14.U14 U19.27
VDD_CPU: C66.2 C72.2 C115.2 C174.2 C177.1 C183.2 C186.2 C187.2 C191.1 C194.2 CN14.1 R126.2 R127.2 U14.E7 U14.E10 U14.G5 U14.G7 U14.G10 U14.K5 U14.K7 U19.5
VDD_DDR: C70.2 C82.2 C94.2 C104.2 C105.2 C106.2 C112.2 C121.2 C128.2 C172.2 C175.2 C178.2 C179.2 C181.2 C182.2 C184.2 C192.2 C193.2 C198.2 C204.1 C206.2 C211.2 C212.2 C218.2 CN14.3 R137.2 R138.2 U14.E15 U14.G15 U14.G17 U14.K15 U14.K17 U14.M15 U14.M17 U14.R15 U14.R17 U14.U15 U17.A1 U17.A8 U17.B2 U17.C1 U17.C9 U17.D2 U17.D9 U17.E9 U17.F1 U17.G7 U17.H2 U17.H9 U17.K2 U17.K8 U17.N1 U17.N9 U17.R1 U17.R9 U19.9
VDD_LS: C16.2 C17.2 C24.2 C25.2 R6.2 R20.1 R21.1 U3.1 U4.7 U4.18
VDD_SD: C27.2 C144.2 CN3.4 R34.2 TP71.1 U6.15 U6.16 U19.20
VDD_USB: C119.2 CN14.5 R113.2 U14.W14
BOOT0: SW1.1 U14.Y17
BOOT1: SW1.2 U14.AA15
BOOT2: SW1.3 U14.Y15
BT_DEV_WAKE: U1.39 U5.1
BT_HOST_WAKE: R64.1 U1.38
BT_PCM_CLK: TP11.1 U1.11 U14.E13
BT_PCM_SDI: TP8.1 U1.10 U14.B13
BT_PCM_SDO: TP9.1 U1.9 U14.E14
BT_PCM_WS: TP1.1 U1.8 U14.D14
BT_REG_ON: TP14.1 U1.14 U5.2
CAM_ENABLE: CN1.11 U5.20 U41.1
CAM_RESET: CN1.12 U5.21 U40.1
CC1: R147.2 R149.1 U25.3
CC2: R144.1 R145.2 U25.1
CLK_N: CN1.8 U2.E2
CLK_P: CN1.9 U2.D1
DATA1_N: CN1.2 U2.F1
DATA1_P: CN1.3 U2.E1
DATA2_N: CN1.5 U2.D2
DATA2_P: CN1.6 U2.C1
DCMI_D0: TP32.1 U4.13 U14.A2
DCMI_D1: U4.14 U14.B1
DCMI_D2: U4.16 U14.G2
DCMI_D3: U4.17 U14.H2
DCMI_D4: U4.19 U14.F3
DCMI_D5: U4.20 U14.C2
DCMI_D6: U4.22 U14.D1
DCMI_D7: U4.23 U14.C3
DCMI_HSYNC: TP21.1 U4.5 U14.E3
DCMI_PIXCLK: TP13.1 U4.2 U14.C6
DCMI_VSYNC: TP17.1 U4.3 U14.F2
DDR_A0: U14.H20 U17.N3
DDR_A1: U14.N21 U17.P7
DDR_A2: U14.G20 U17.P3
DDR_A3: U14.H19 U17.N2
DDR_A4: U14.R19 U17.P8
DDR_A5: U14.F20 U17.P2
DDR_A6: U14.R21 U17.R8
DDR_A7: U14.J17 U17.R2
DDR_A8: U14.P19 U17.T8
DDR_A9: U14.G21 U17.R3
DDR_A10: U14.L18 U17.L7
DDR_A11: U14.N17 U17.R7
DDR_A12: U14.M19 U17.N7
DDR_A13: U14.G19 U17.T3
DDR_A14: U14.N19 U17.T7
DDR_A15: U14.M21 U17.M7
DDR_BA0: U14.J19 U17.M2
DDR_BA1: U14.P20 U17.N8
DDR_BA2: U14.H18 U17.M3
DDR_CASN: U14.L19 U17.K3
DDR_CKE: R178.2 U14.N20 U17.K9
DDR_CLK_N: R177.2 U14.L20 U17.K7
DDR_CLK_P: R177.1 U14.M20 U17.J7
DDR_CSN: U14.J20 U17.L2
DDR_DQ0: U14.B21 U17.A7
DDR_DQ1: U14.B20 U17.B8
DDR_DQ2: U14.D19 U17.D7
DDR_DQ3: U14.E19 U17.A3
DDR_DQ4: U14.B19 U17.C8
DDR_DQ5: U14.D20 U17.A2
DDR_DQ6: U14.E20 U17.C2
DDR_DQ7: U14.F19 U17.C3
DDR_DQ8: U14.T20 U17.E3
DDR_DQ9: U14.U20 U17.H3
DDR_DQ10: U14.T19 U17.G2
DDR_DQ11: U14.W20 U17.H8
DDR_DQ12: U14.W19 U17.F8
DDR_DQ13: U14.U19 U17.F2
DDR_DQ14: U14.Y21 U17.H7
DDR_DQ15: U14.Y20 U17.F7
DDR_DQM0: U14.D21 U17.D3
DDR_DQM1: U14.W21 U17.E7
DDR_DQS0_N: U14.C21 U17.B7
DDR_DQS0_P: U14.C20 U17.C7
DDR_DQS1_N: U14.V21 U17.G3
DDR_DQS1_P: U14.V20 U17.F3
